# Altium PCB Lapwing2p2.PcbDoc (part 1 of 2)
Units mm, origin at the board's own origin, x right, y up, seen from the top; angles counter-clockwise.
Board outline 80 x 49 mm, 4 copper layers (Top Copper, Signal Layer 1, Signal Layer 2, Bottom Copper), stack 1.57 mm thick; 130 components, 100 nets, 510 pads, 237 vias.
Unrouted connection lines stored in the file: 94.
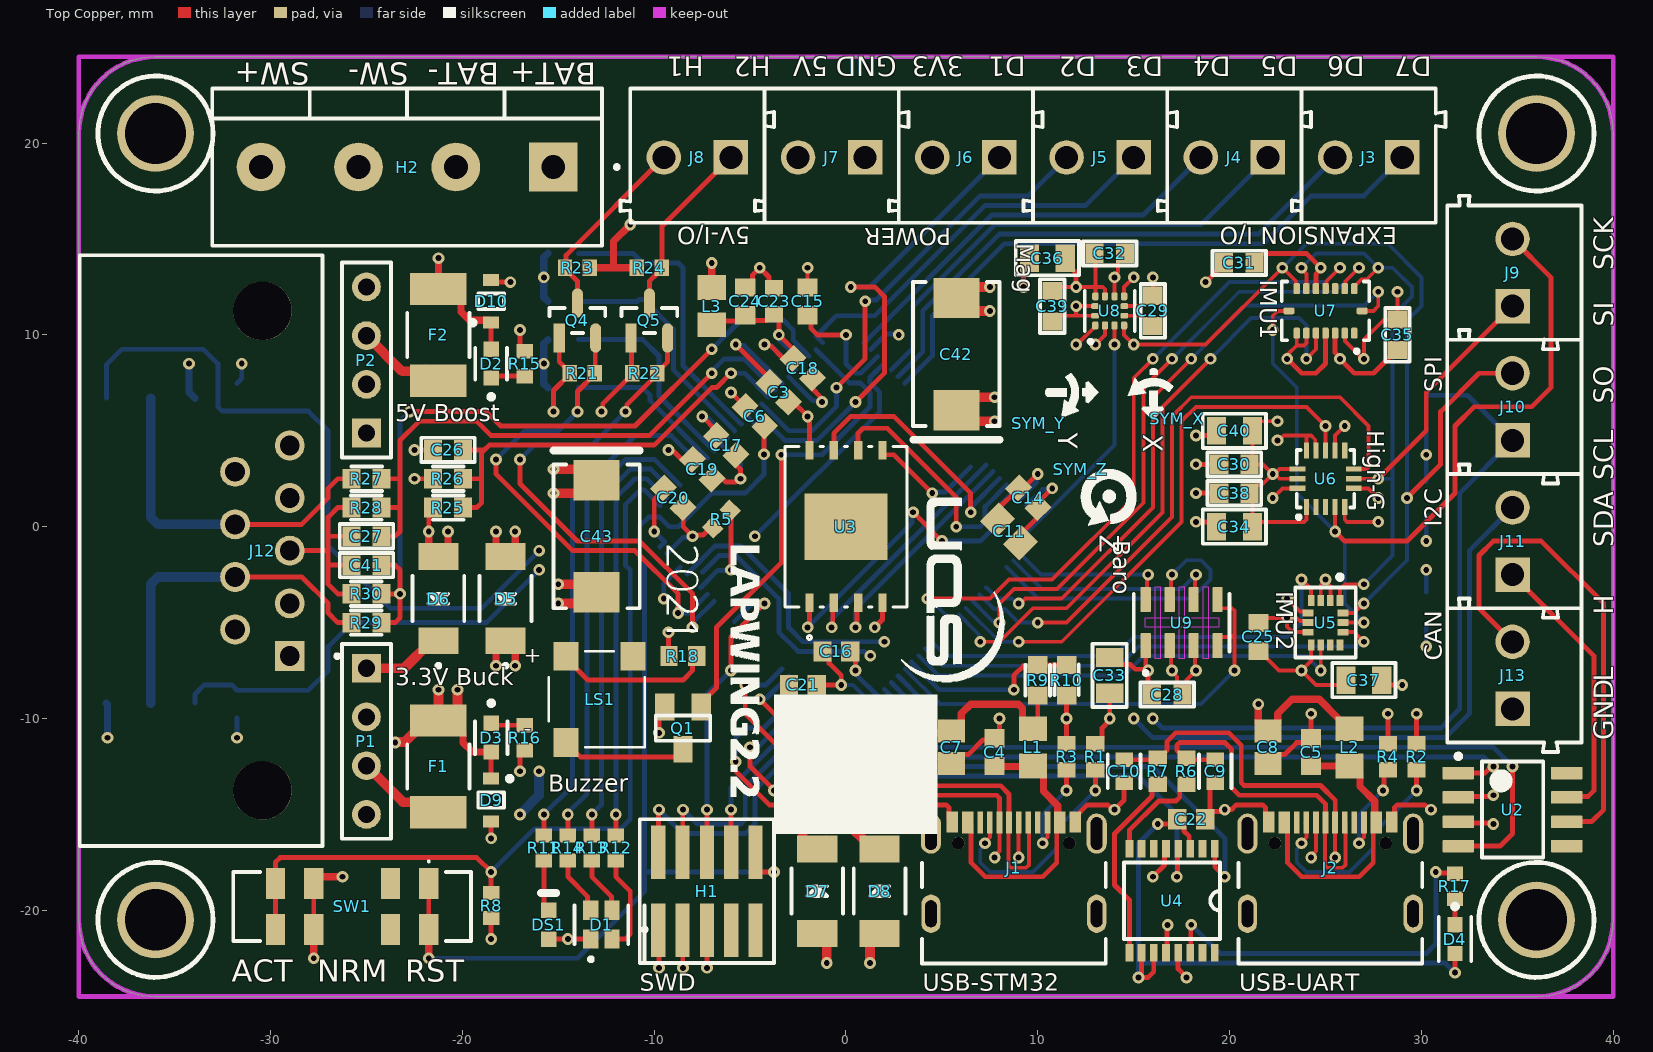
[diagram p0: Top Copper view]
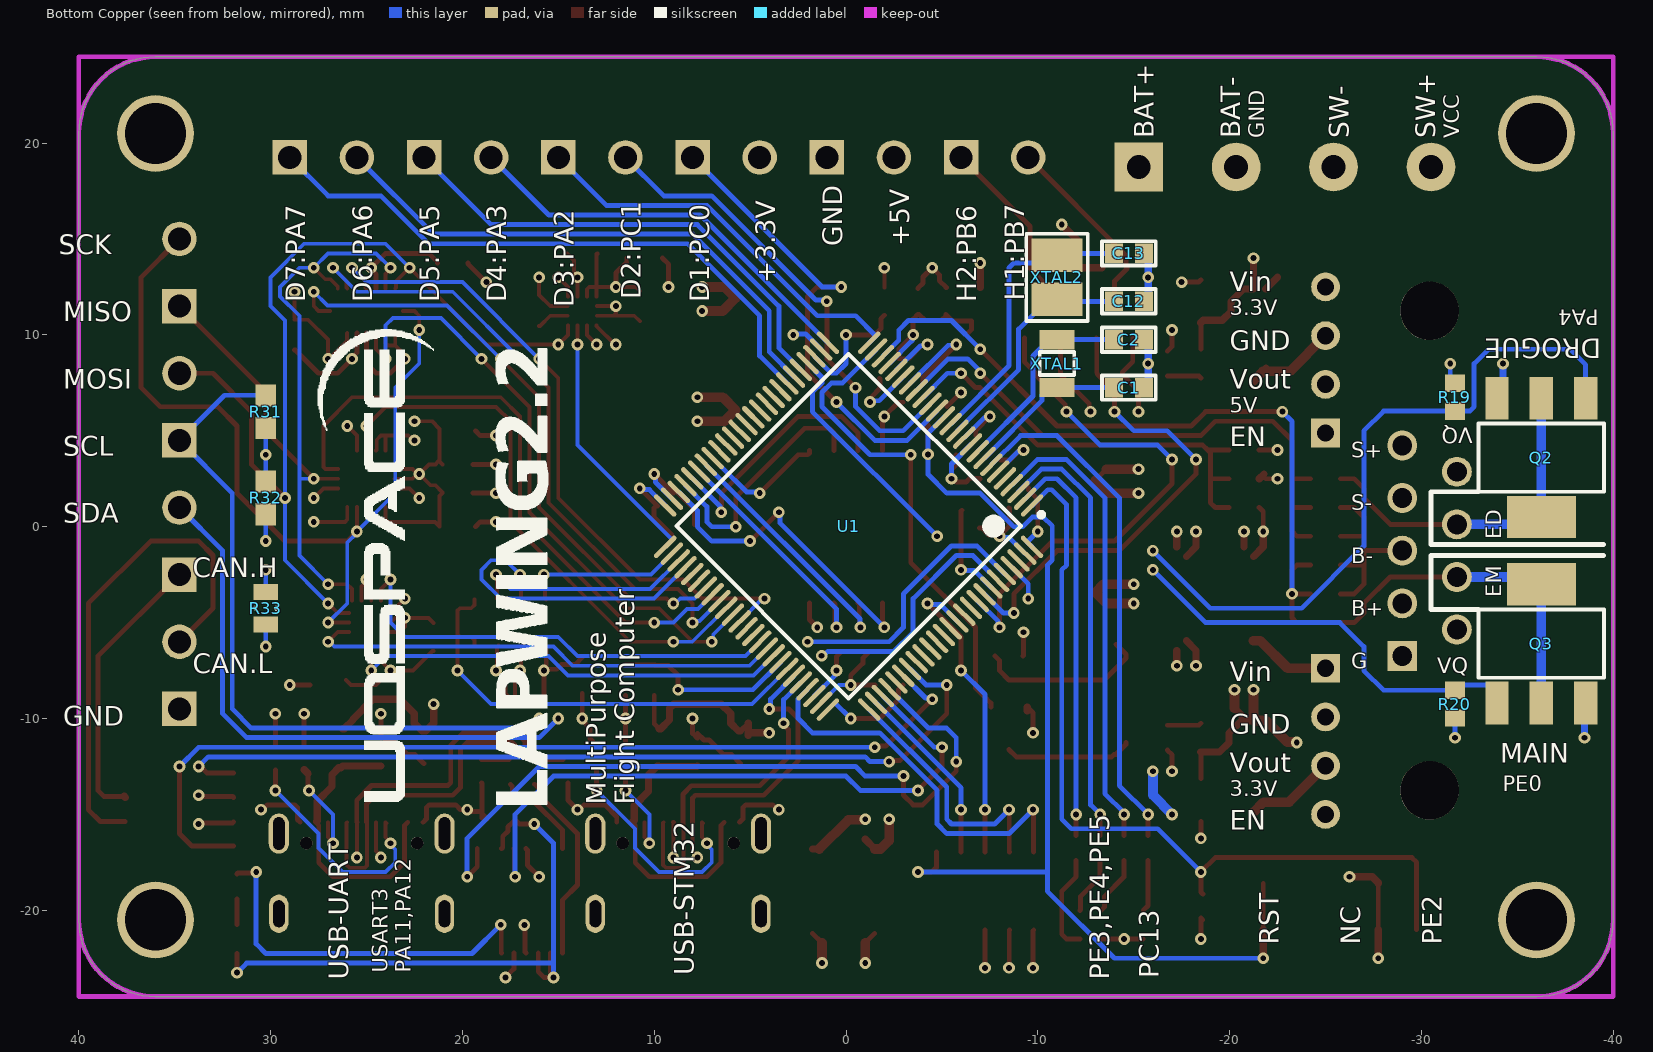
[diagram p1: Bottom Copper view, seen from below]
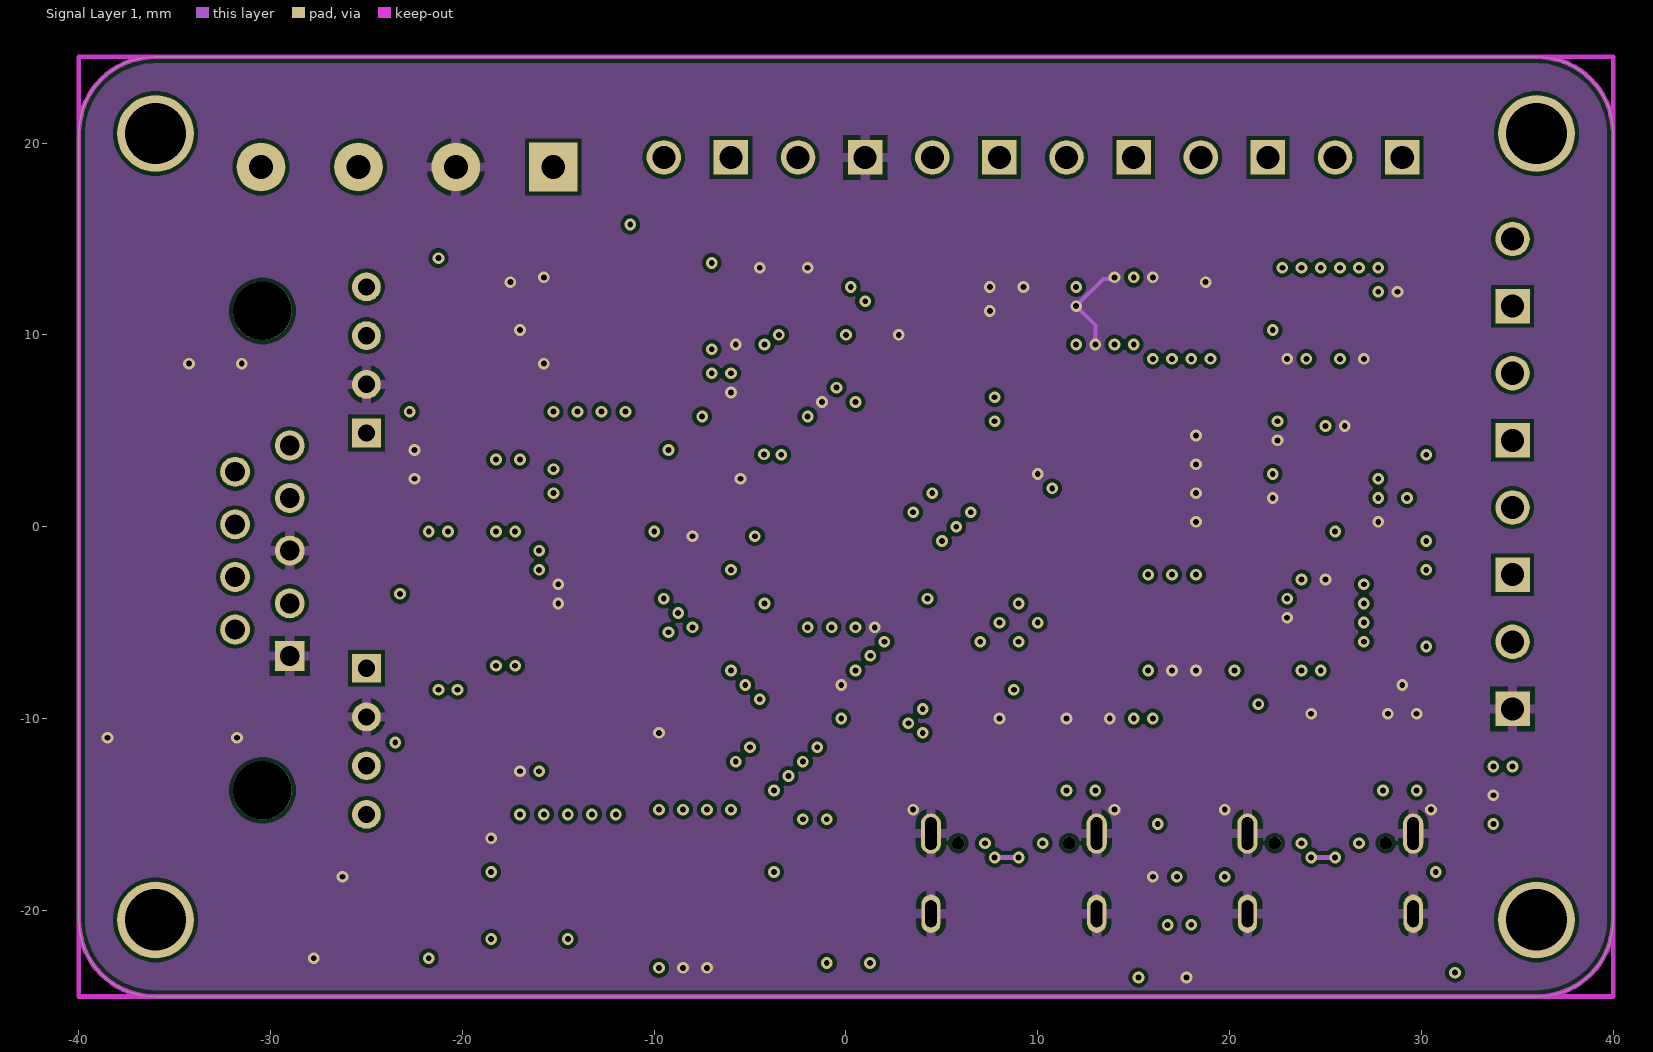
[diagram p2: Signal Layer 1]
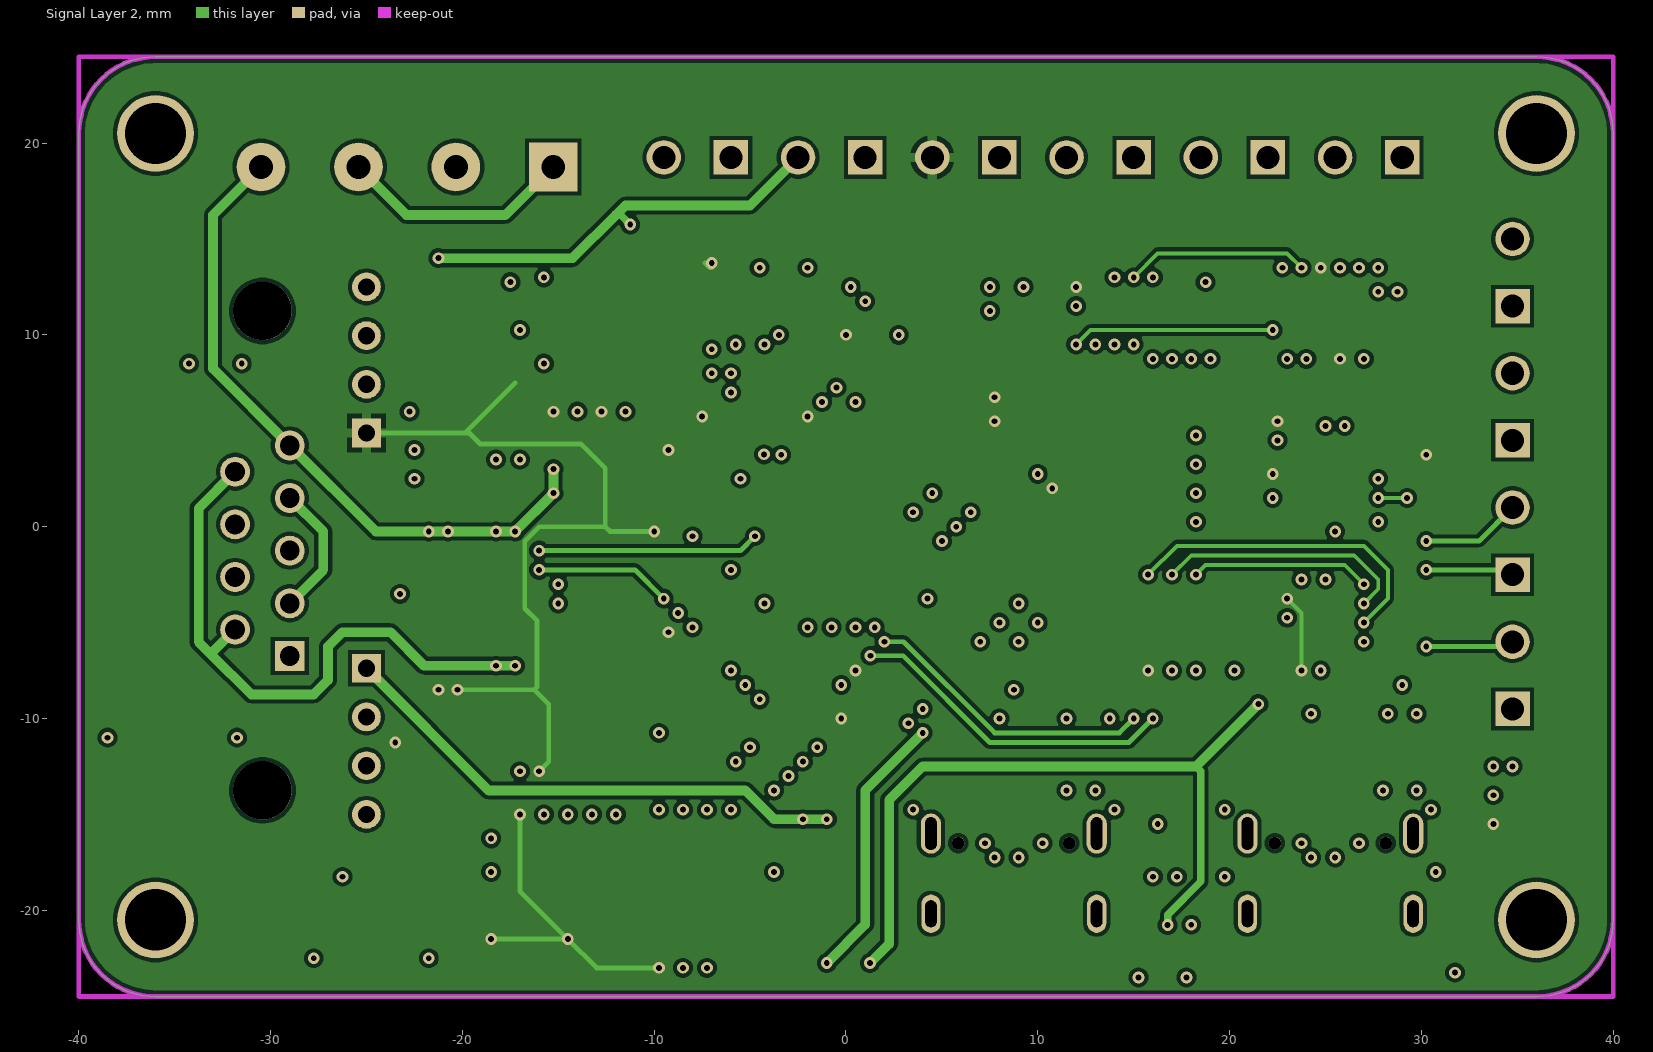
[diagram p3: Signal Layer 2]
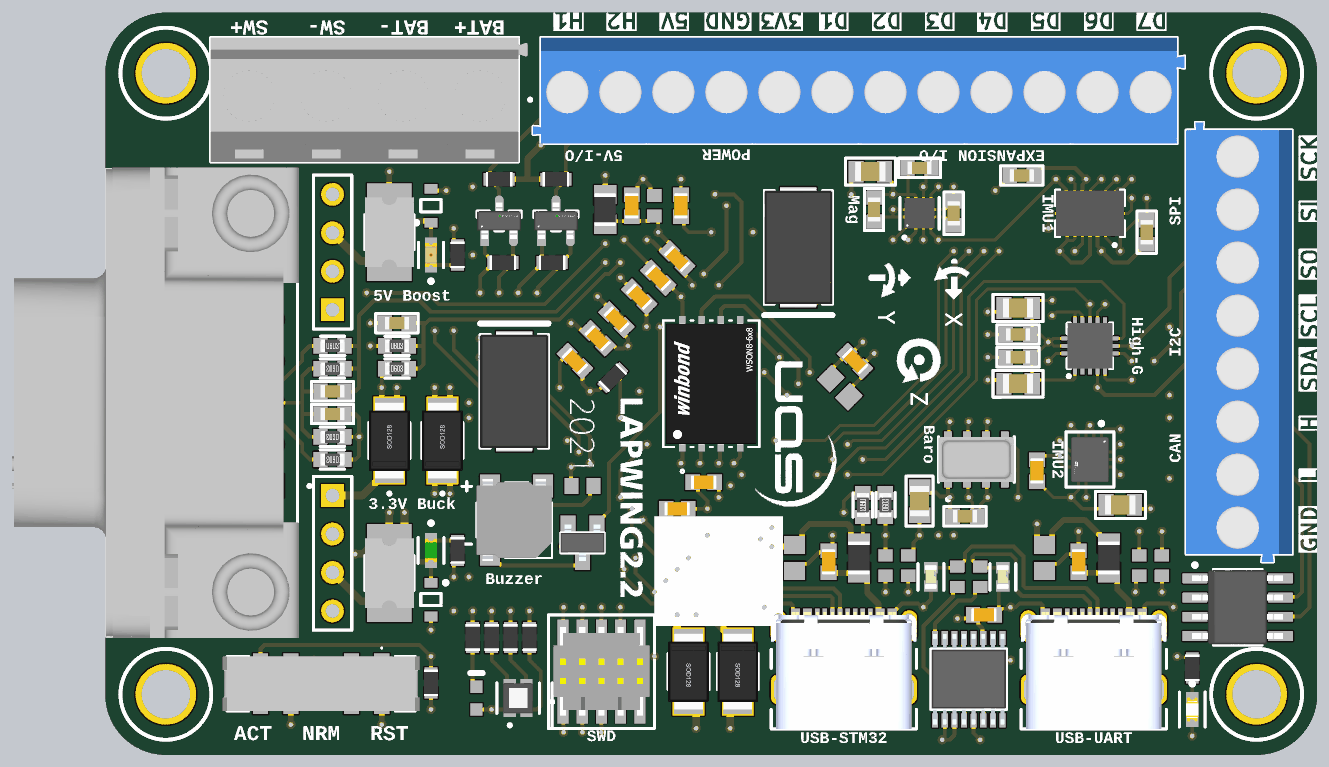
[diagram p5: 3D render of the assembled board from above, using the file's embedded part models]
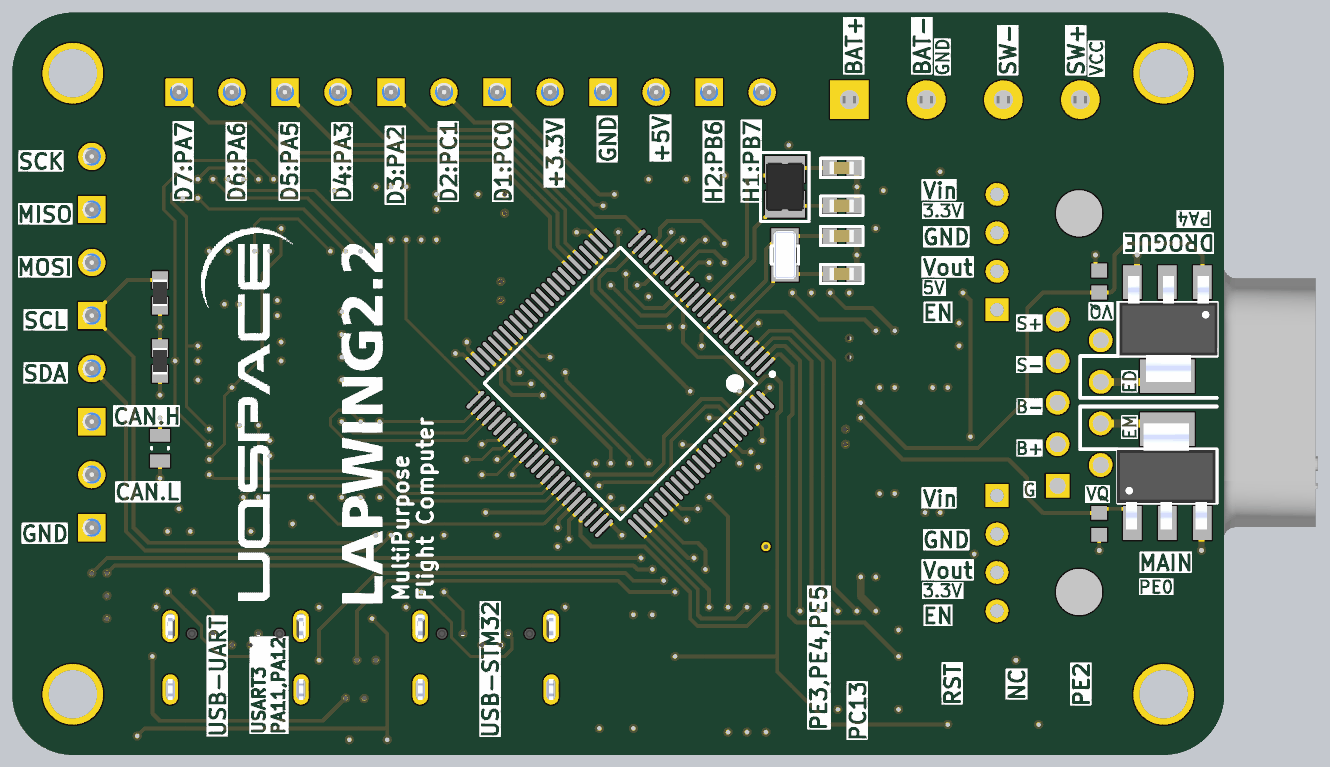
[diagram p6: 3D render of the assembled board from below, using the file's embedded part models]

## Layer stack, top to bottom
Top Mask: solder mask 0.015, Solder Resist, Dk 3.8
Top Copper: signal copper 0.035
Dielectric 1: prepreg 0.2, 7628, Dk 4.6
Signal Layer 1: signal copper 0.0175
Core: core 1.065, FR-4, Dk 4.5
Signal Layer 2: signal copper 0.0175
Dielectric 2: prepreg 0.2, 7628, Dk 4.6
Bottom Copper: signal copper 0.035
Bottom Mask: solder mask 0.015, Solder Resist, Dk 3.8

## Board outline
-36,-24.5 cw(c-36,-20.5) -40,-20.5 -40,20.5 cw(c-36,20.5) -36,24.5 36,24.5 cw(c36,20.5) 40,20.5 40,-20.5 cw(c36,-20.5) 36,-24.5

## Design rules (kind name [scope] priority, off if disabled: settings)
BoardOutlineClearance [All] p1: gap=0.2 ignorepadtopadclearanceinfootprint=FALSE except(0.4: Arc-SplitBarrior Arc-SplitContinuation Track-SplitBarrior Track-SplitContinuation SMDPad-SplitBarrior SMDPad-SplitContinuation THPad-SplitBarrior THPad-SplitContinuation Via-SplitBarrior Via-SplitContinuation Fill-SplitBarrior Fill-SplitContinuation Poly-SplitBarrior Poly-SplitContinuation Region-SplitBarrior Region-SplitContinuation Text-SplitBarrior Text-SplitContinuation)
Clearance "Clearance Bottom Layer" [OnLayer('Bottom Layer')] p1: gap=0.203 ignorepadtopadclearanceinfootprint=TRUE except(0.254: Arc-Text Track-Text SMDPad-Text THPad-Text Via-Text Fill-Text Poly-Text Region-Text Text-Text)
Clearance "Clearance Top Layer" [OnLayer('Top Layer')] p2: gap=0.203 ignorepadtopadclearanceinfootprint=TRUE except(0.254: Arc-Text Track-Text SMDPad-Text THPad-Text Via-Text Fill-Text Poly-Text Region-Text Text-Text)
Clearance [All] p3: gap=0.2 ignorepadtopadclearanceinfootprint=FALSE except(0.089: Arc-Arc Arc-Track Arc-SMDPad Track-Track Track-SMDPad SMDPad-SMDPad; 0.127: Arc-Via Track-Via SMDPad-Via THPad-Via Via-Via; 0.254: Arc-Text Track-Text SMDPad-Text THPad-Text Via-Text Fill-Text Poly-Text Region-Text Text-Text)
HoleSize [All] p1: absolutevalues=TRUE maxlimit=6.3 minlimit=0.2 maxpercent=80.000 minpercent=20.000
MinimumAnnularRing [All] p1: minimumring=0.076
MinimumSolderMaskSliver [All] p1: minsoldermaskwidth=0.1
PolygonConnect PolygonConnect_1 [All] p1: thpad.connectstyle=Relief thpad.reliefconductorwidth=0.508 thpad.reliefentries=4 thpad.polygonreliefangle="90 Angle" thpad.airgapwidth=0.254 smdpad.connectstyle=Relief smdpad.reliefconductorwidth=0.508 smdpad.reliefentries=4 smdpad.polygonreliefangle="90 Angle" smdpad.airgapwidth=0.254 via.connectstyle=Direct via.reliefconductorwidth=0.508 via.reliefentries=4 via.polygonreliefangle="90 Angle" via.airgapwidth=0.254
RoutingCorners [All] p1: cornerstyle=Round minsetback=2.54 maxsetback=2.54
RoutingVias [All] p1: holewidth=0.5 width=1 viastyle="Through Hole" minholewidth=0.2 minwidth=0.45 maxholewidth=1 maxwidth=2
SilkToSilkClearance [All] p1: silktosilkclearance=0.1
SilkToSolderMaskClearance [IsPad] p1: minsilkscreentomaskgap=0.1 clearancetoexposedcopper=TRUE
SolderMaskExpansion SolderMaskExpansion_1 [InComponent('U1') OR InComponent('J1') OR InComponent('J2') OR InComponent('U4') OR InComponent('U8')] p1: expansion=0 istentingtop=FALSE
SolderMaskExpansion [All] p2: expansion=0.102 istentingtop=FALSE
Width [All] p1: maxlimit=2.54 minlimit=0.089 preferedwidth=0.381
25 further rules are at their usual default settings.

## Components (designator, comment, footprint, x,y, rotation, side; value= is the part's Value field where it differs from the comment)
C1 "CAP" C0603 -14.75,7.25 r180 bottom value=10pF
C2 "CAP" C0603 -14.75,9.75 r0 bottom value=10pF
C3 "GRM188R71H104KA93D" CAPC1608X90X35ML10T15 -3.5,7 r315 top value=100n
C4 "GRM188R71H103KA01D" CAPC1608X90X35ML10T15 7.75,-11.75 r270 top value=10n
C5 "GRM188R71H103KA01D" CAPC1608X90X35ML10T15 24.25,-11.75 r270 top value=10n
C6 "GRM188R71H103KA01D" CAPC1608X90X35ML10T15 -4.75,5.75 r315 top value=10n
C7 "GRM21BR61E475KA12L" CAPC2013X135X45NL10T25 5.5,-11.5 r90 top value=4.7u
C8 "GRM21BR61E475KA12L" CAPC2013X135X45NL10T25 22,-11.5 r90 top value=4.7u
C9 "C0603C470J5GACTU" FP-C0603C-CF-MFG 19.25,-12.75 r270 top value=47p
C10 "C0603C470J5GACTU" FP-C0603C-CF-MFG 14.5,-12.75 r270 top value=47p
C11 "GRM21BR61E475KA12L" CAPC2013X135X45NL10T25 8.5,-0.25 r315 top value=4.7u
C12 "CAP" C0603 -14.75,11.75 r180 bottom value=10pF
C13 "CAP" C0603 -14.75,14.25 r0 bottom value=10pF
C14 "GRM188R71H104KA93D" CAPC1608X90X35ML10T15 9.5,1.5 r315 top value=100n
C15 "GRM188R71H104KA93D" CAPC1608X90X35ML10T15 -2,11.75 r270 top value=100n
C16 "GRM188R71H104KA93D" CAPC1608X90X35ML10T15 -0.5,-6.5 r0 top value=100n
C17 "GRM188R71H104KA93D" CAPC1608X90X35ML10T15 -6.25,4.25 r135 top value=100n
C18 "GRM188R71H104KA93D" CAPC1608X90X35ML10T15 -2.25,8.25 r135 top value=100n
C19 "GRM188R71H104KA93D" CAPC1608X90X35ML10T15 -7.5,3 r135 top value=100n
C20 "GRM188R71H104KA93D" CAPC1608X90X35ML10T15 -9,1.5 r135 top value=100n
C21 "GRM188R71H104KA93D" CAPC1608X90X35ML10T15 -2.25,-8.25 r180 top value=100n
C22 "GRM188R71H104KA93D" CAPC1608X90X35ML10T15 18,-15.25 r0 top value=100n
C23 "GRM188R71E105KA12D" CAPC1608X90X35NL10T15 -3.75,11.75 r270 top value=1u
C24 "GRM188R71H103KA01D" CAPC1608X90X35ML10T15 -5.25,11.75 r270 top value=10n
C25 "GRM188R71H104KA93D" CAPC1608X90X35ML10T15 21.5,-5.75 r270 top value=100n
C26 "CAP" C0603 -20.75,4 r0 top value=10nF
C27 "CAP" C0603 -25,-0.5 r0 top value=10nF
C28 "CAP" C0603 16.75,-8.75 r180 top value=100nF
C29 "CAP" C0603 16,11.25 r90 top value=220nF
C30 "CAP" C0603 20.25,3.25 r0 top value=100nF
C31 "CAP" C0603 20.5,13.75 r0 top value=100nF
C32 "CAP" C0603 13.75,14.25 r0 top value=100nF
C33 "CAP" C0805 13.75,-7.75 r270 top value=1uF
C34 "CAP" C0805 20.25,0 r180 top value=10uF
C35 "CAP" C0603 28.75,10 r90 top value=100nF
C36 "CAP" C0805 10.5,14 r180 top value=10uF
C37 "CAP" C0805 27,-8 r180 top value=1uF
C38 "CAP" C0603 20.25,1.75 r180 top value=100nF
C39 "CAP" C0603 10.75,11.5 r270 top value=100nF
C40 "CAP" C0805 20.25,5 r180 top value=1uF
C41 "CAP" C0603 -25,-2 r180 top value=10nF
C42 "TPSD476K025R0150" AVX-7343-31_L 5.75,9 r90 top value=47uF
C43 "TPSD476K025R0150" AVX-7343-31_L -13,-0.5 r270 top value=47uF
D1 "CLMVC-FKA-CL1D1L71BB7C3C3" CLMVC-FKA -12.75,-20.75 r90 top
D2 "LTST-C190KRKT" FP-LTST-C190KRKT-MFG -18.5,8.5 r90 top
D3 "LTST-C190GKT" FP-LTST-C190GKT-MFG -18.5,-11 r270 top
D4 "LTST-C190KFKT" FP-LTST-C190KFKT-MFG 31.75,-21.5 r270 top
D5 "PMEG6030EVPX" D_PMEG6030EVPX -17.75,-3.75 r270 top
D6 "PMEG6030EVPX" D_PMEG6030EVPX -21.25,-3.75 r270 top
D7 "PMEG6030EVPX" D_PMEG6030EVPX -1.5,-19 r90 top
D8 "PMEG6030EVPX" D_PMEG6030EVPX 1.75,-19 r90 top locked
D9 "MM3Z3V6T1G" ONSC-SOD-323-2-477-02_V -18.5,-14.25 r270 top
D10 "MM3Z5V6T1G" ONSC-SOD-323-2-477-02_V -18.5,11.75 r90 top
DS1 "LTST-C190TBKT" LTST-C190TBKT-2_V -15.5,-20.75 r90 top
F1 "MF-MSMF110/24X-2" BOUR-MF-MSMF110-24X-2_V -21.25,-12.5 r90 top
F2 "MF-MSMF110/24X-2" BOUR-MF-MSMF110-24X-2_V -21.25,10 r90 top
H1 "FTSH-105-01-L-DV-K-P" H_FTSH-105-01-L-DV-K-P -7.25,-19 r0 top
H2 "282837-4" H_282837-4 -22.88,22.85 r180 top
J1 "USB4105-GF-A" H_GCT_USB4105-GF-A 8.75,-16.5 r0 top
J2 "USB4105-GF-A" H_GCT_USB4105-GF-A 25.25,-16.5 r0 top
J3 "691103110002" 691103110002 27.25,19.35 r180 top
J4 "691103110002" 691103110002 20.25,19.35 r180 top
J5 "691103110002" 691103110002 13.25,19.35 r180 top
J6 "691103110002" 691103110002 6.25,19.35 r180 top
J7 "691103110002" 691103110002 -0.75,19.35 r180 top
J8 "691103110002" 691103110002 -7.75,19.35 r180 top
J9 "691103110002" 691103110002 34.85,13.25 r90 top
J10 "691103110002" 691103110002 34.85,6.25 r90 top
J11 "691103110002" 691103110002 34.85,-0.75 r90 top
J12 "5745781-4" J_5745781-4 -30.422,-1.25 r270 top locked
J13 "691103110002" 691103110002 34.85,-7.75 r90 top
L1 "MI0805K601R-10" LIRD-MI0805K601R-10-2_V 9.75,-11.5 r90 top
L2 "MI0805K601R-10" LIRD-MI0805K601R-10-2_V 26.25,-11.5 r90 top
L3 "MI0805K601R-10" LIRD-MI0805K601R-10-2_V -7,11.5 r270 top
LS1 "CMT-0502-75-SMT-TR" XDCR_CMT-0502-75-SMT-TR -13,-9 r0 top
P1 "3.3V Buck Module" HDR1X4 -25,-7.38 r270 top
P2 "5V Boost Module" HDR1X4 -25,4.88 r90 top
Q1 "BSS138" Q_BSS138 -8.5,-10.5 r180 top
Q2 "NDT3055L" Q_NDT3055L -36.321,3.607 r0 bottom locked
Q3 "NDT3055L" Q_NDT3055L -36.179,-6.107 r180 bottom locked
Q4 "BSS138" FP-318-08-IPC_B -14,10.75 r90 top
Q5 "BSS138" FP-318-08-IPC_B -10.25,10.75 r90 top
R1 "ERJ-3EKF5101V" RESC1608X55X30NL15T15 13,-12 r270 top value=5.1k
R2 "ERJ-3EKF5101V" RESC1608X55X30NL15T15 29.75,-12 r270 top value=5.1k
R3 "ERJ-3EKF5101V" RESC1608X55X30NL15T15 11.5,-12 r270 top value=5.1k
R4 "ERJ-3EKF5101V" RESC1608X55X30NL15T15 28.25,-12 r270 top value=5.1k
R5 "ERJ3EKF1002V" RESC1609X55X30LL15T15 -6.5,0.4 r45 top value=10k
R6 "ERJ3EKF27R0V" RESC1608X55X30NL15T15 17.75,-12.75 r270 top value=27R
R7 "ERJ3EKF27R0V" RESC1608X55X30NL15T15 16.25,-12.75 r270 top value=27R
R8 "ERJ3EKF1002V" RESC1609X55X30LL15T15 -18.5,-19.75 r90 top value=10k
R9 "RES" R0603 10,-8 r270 top value=22k1
R10 "RES" R0603 11.5,-8 r90 top value=47k5
R11 "ERJ-3EKF2200V" RESC1608X55X30LL15T15 -15.75,-16.75 r90 top value=220R
R12 "ERJ-3EKF2200V" RESC1608X55X30LL15T15 -12,-16.75 r90 top value=220R
R13 "ERJ-3EKF2200V" RESC1608X55X30LL15T15 -13.25,-16.75 r90 top value=220R
R14 "ERJ-3EKF2200V" RESC1608X55X30LL15T15 -14.5,-16.75 r90 top value=220R
R15 "ERJ-3EKF2200V" RESC1608X55X30LL15T15 -16.75,8.5 r90 top value=220R
R16 "ERJ-3EKF2200V" RESC1608X55X30LL15T15 -16.75,-11 r270 top value=220R
R17 "ERJ-3EKF2200V" RESC1608X55X30LL15T15 31.75,-18.75 r90 top value=220R
R18 "ERJ-3EKF1001V" RESC1608X55X30ML15T15#1 -8.5,-6.75 r180 top value=1k
R19 "ERJ-3EKF1001V" RESC1608X55X30ML15T15#1 -31.75,6.75 r270 bottom value=1k
R20 "ERJ-3EKF1001V" RESC1608X55X30ML15T15#1 -31.75,-9.25 r90 bottom value=1k
R21 "ERJ3EKF1002V" RESC1609X55X30LL15T15 -13.75,8 r180 top value=10k
R22 "ERJ3EKF1002V" RESC1609X55X30LL15T15 -10.5,8 r180 top value=10k
R23 "ERJ3EKF1002V" RESC1609X55X30LL15T15 -14,13.5 r0 top value=10k
R24 "ERJ3EKF1002V" RESC1609X55X30LL15T15 -10.25,13.5 r180 top value=10k
R25 "RES" R0603 -20.75,1 r0 top value=102k
R26 "RES" R0603 -20.75,2.5 r0 top value=19k6
R27 "RES" R0603 -25,2.5 r0 top value=102k
R28 "RES" R0603 -25,1 r180 top value=19k6
R29 "RES" R0603 -25,-5 r180 top value=102k
R30 "RES" R0603 -25,-3.5 r180 top value=19k6
R31 "ERJ-3EKF4701V" RESC1608X55X30ML15T15#2 30.25,6 r270 bottom value=4.7k
R32 "ERJ-3EKF4701V" RESC1608X55X30ML15T15#2 30.25,1.5 r90 bottom value=4.7k
R33 "120R 1% 0805(2012)" RESC0805(2012)_L 30.25,-4.25 r270 bottom value=120R
SW1 "JS203011JCQN" JS203011JCQN -25.75,-19.5 r180 top
SYM_X "" SYMBOL_GYRO_CCLOCKWISE 17.27,5.615 r90 top
SYM_Y "" SYMBOL_GYRO_CLOCKWISE 10.062,5.4 r0 top